# Altium PCB UltraZohm_Digital_Sensor_Board_v1.01.PcbDoc (part 4 of 4)
Units mm, origin at the board's own origin, x right, y up, seen from the top; angles counter-clockwise.
Board outline 156 x 100 mm, 4 copper layers (Top Layer, GND, VCC, Bottom Layer), stack 0.778 mm thick; 386 components, 224 nets, 1254 pads, 301 vias.
Unrouted connection lines stored in the file: 1.
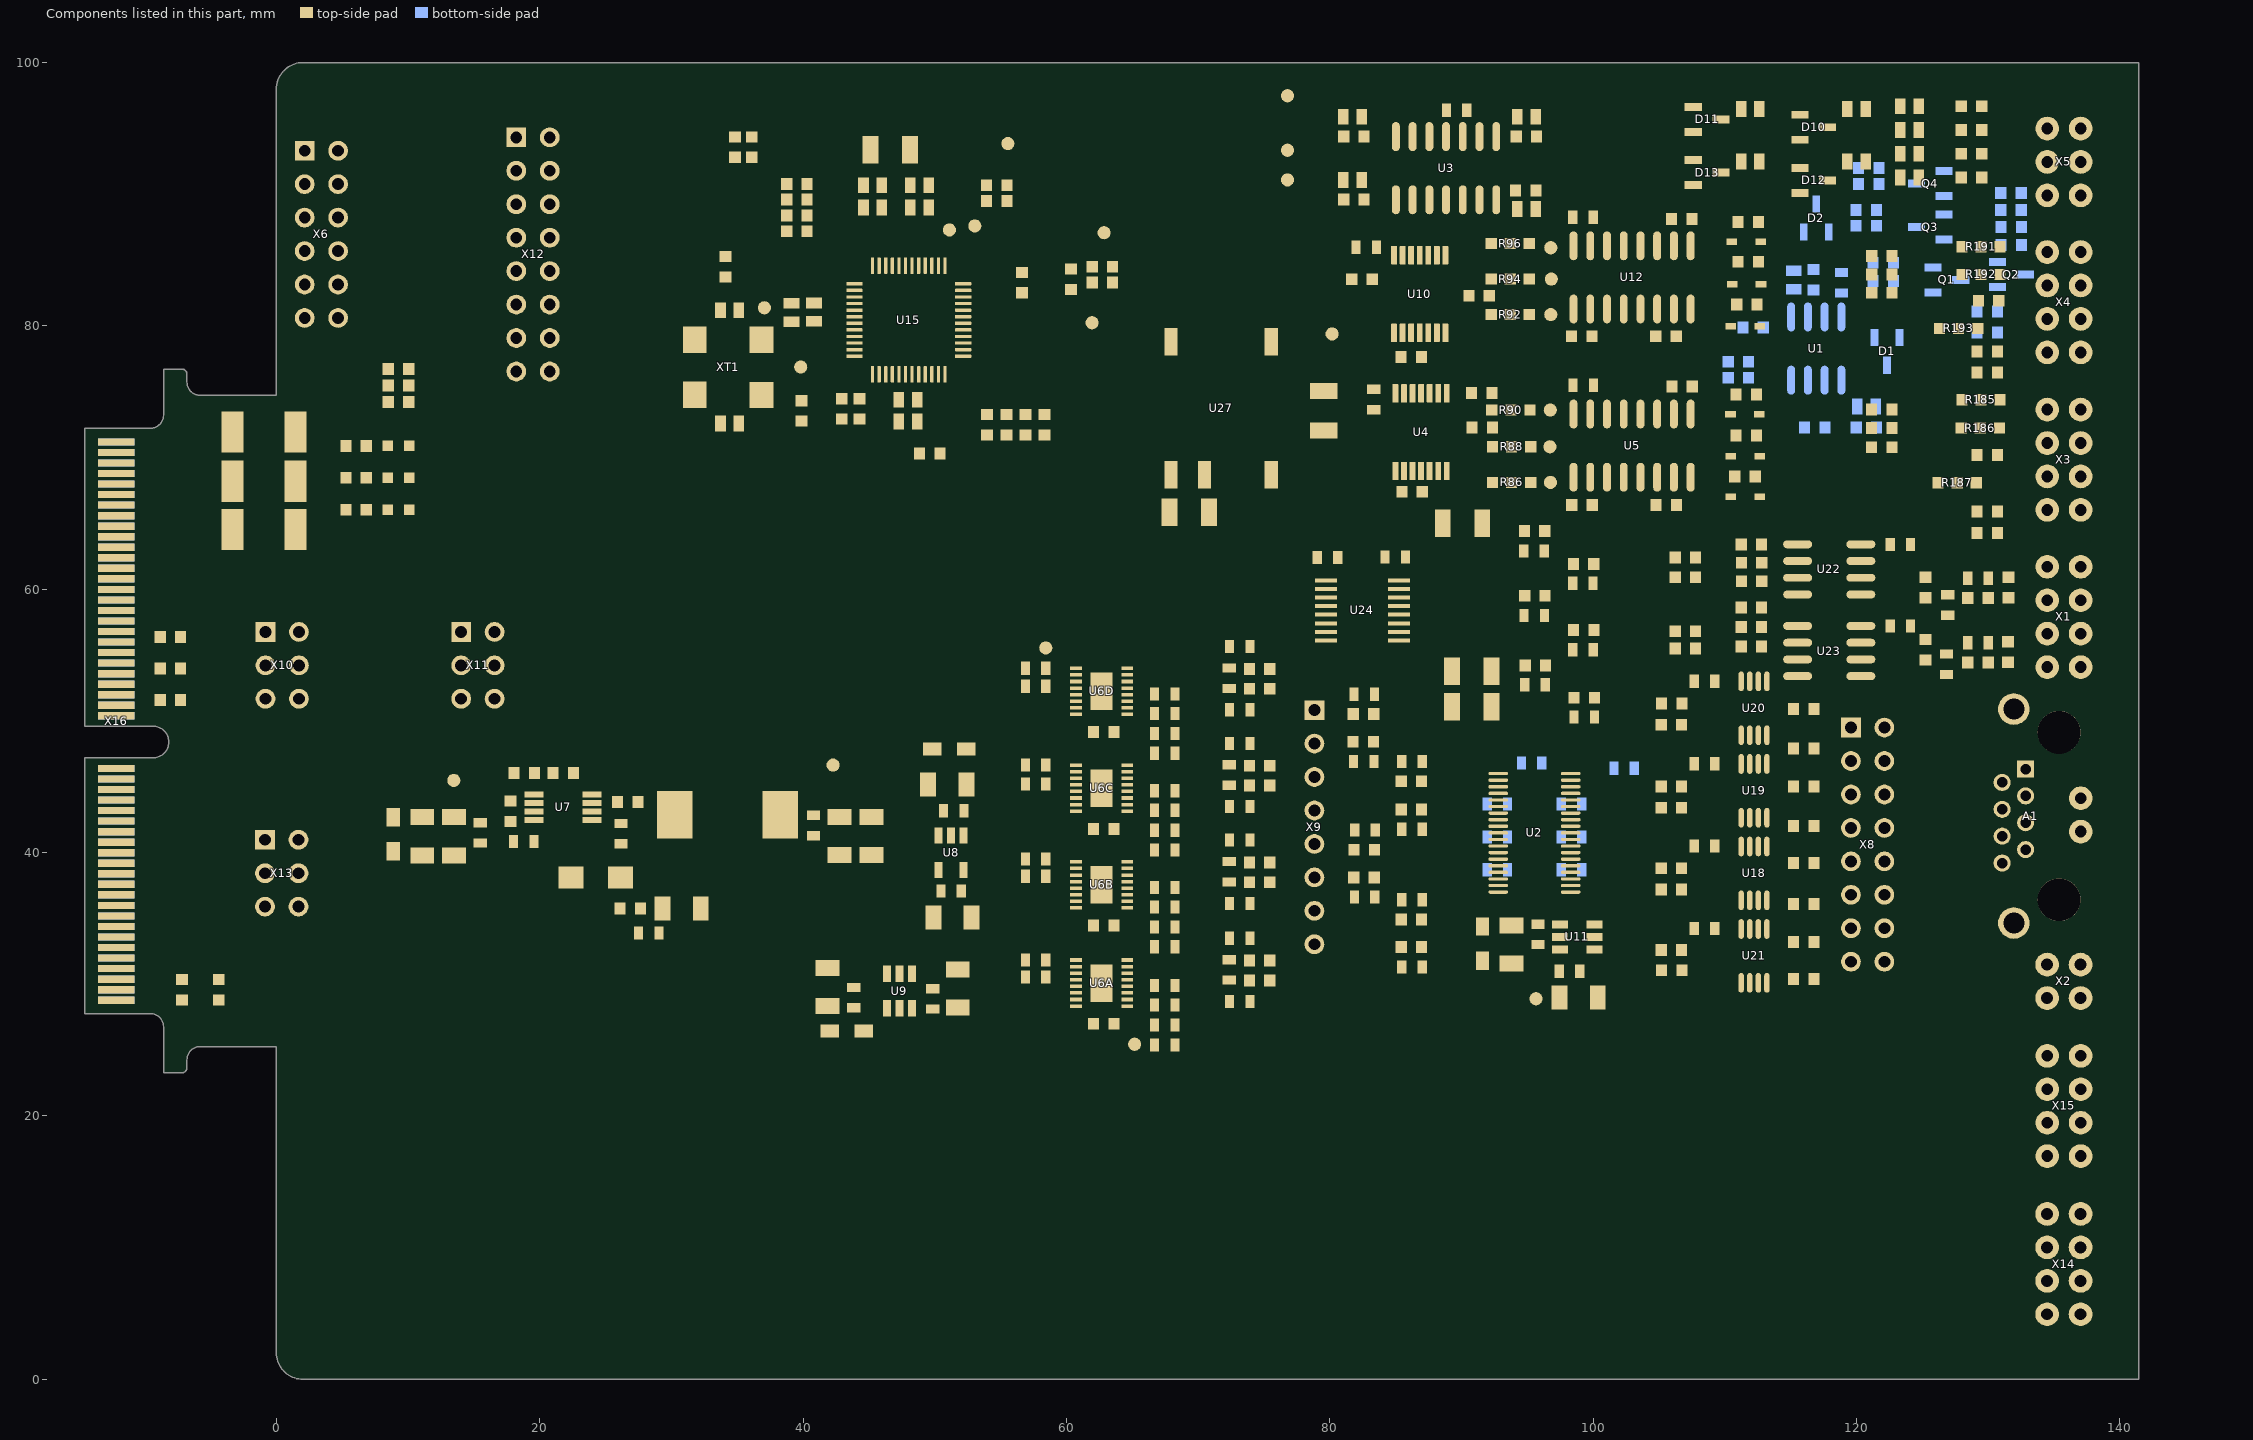
[diagram p6: the components of this part, seen from the top]

## Via types
v1: diameter 0.7, hole 0.3, Top Layer to Bottom Layer, 209 vias
v2: diameter 0.6, hole 0.3, Top Layer to Bottom Layer, 45 vias
v3: diameter 1.3, hole 0.7, Top Layer to Bottom Layer, 26 vias
v4: diameter 1, hole 0.5, Top Layer to Bottom Layer, 20 vias
v5: diameter 0.5, hole 0.3, Top Layer to Bottom Layer, 1 vias

## Nets (pads, with @x,y where several pads share a name; then routed paths per layer and width w, separated by ;. In a path a pad name is that pad's centre, name@x,y a point inside that pad or via, vN(x,y) a via of type N, cw(c..) or ccw(c..) an arc to the next point about the centre after c; other vN are vias at no path point) (continued)
pads on no net: A1.7 A1.8 A1.MH1 A1.MH2 U2.1 U2.6 U2.11 U2.16 U4.11 U4.12 U4.13 U5.13 U6A.13 U6A.15 U6B.13 U6B.15 U6C.13 U6C.15 U6D.13 U6D.15 U8.4 U9.3 U9.5 U10.11 U10.12 U10.13 U11.3 U11.5 U12.13 U15.14 U15.15 U15.16 U15.17 U15.20 U15.21 U15.22 U15.23 U15.24 U15.25 U15.26 U15.27 U15.28 U15.47 U18.0 U19.0 U20.0 U21.0 U27.8 X1.6 X12.16 X14.1 X14.2 X14.3 X14.4 X14.5 X14.6 X14.7 X14.8 X15.1 X15.2 X15.3 X15.4 X15.5 X15.6 X15.7 X15.8 X16.77 X16.78 X16.79 X16.80 X16.83 X16.84 X16.85 X16.86 X16.89 X16.90 X16.91 X16.92 X16.93 X16.94 X16.95

## Polygon pours and split planes (outlines as drawn)
VIN_VREF on Top Layer "VIn_Rref_ADC" (solid, pour order 89): 45.564,29.389 46.372,29.389 46.872,28.889 46.872,27.489 46.472,27.089 44.872,25.489 43.672,25.489 41.672,25.489 40.772,26.389 40.772,29.389
GND on Top Layer "GND_Vref_U9" (solid, pour order 91): 53.37,32.355 53.37,29.489 39.972,29.489 39.972,32.355
VCC_2.5V on Top Layer "InputFilter_U8" (solid, pour order 83): 55.746,42.698 55.746,40.469 55.25,39.973 49.896,39.973 49.896,42.073 50.419,42.073 50.546,42.073 50.646,41.973 50.669,41.95 50.669,40.773 50.869,40.573 50.901,40.573 51.646,40.573 51.804,40.731 51.804,41.073 51.804,42.042 51.782,48.209 51.945,48.373 55.495,48.374 55.746,48.123 55.746,43.456
GND on Top Layer "GND_U8" (solid, pour order 92): 47.946,33.673 47.596,34.023 47.596,36.073 47.596,39.348 47.596,46.273 48.283,46.961 50.046,46.961 51.538,45.469 51.538,34.519 50.691,33.673
OVCC on Top Layer "OVCC_U8_Bottom" (solid, pour order 110): 51.924,33.73 51.373,34.281 51.373,39.292 51.804,39.723 55.236,39.723 55.759,39.201 55.759,34.198 55.284,33.723
GND on Top Layer "GND" (solid, pour order 132): 67.469,30.646 73.219,30.646 73.219,26.848 71.255,24.884 67.469,24.888
GND on Top Layer "GND_U7" (solid, pour order 102): 28.73,47.541 11.41,47.541 9.809,45.941 9.809,35.984 10.112,35.681 27.253,35.681 29.08,37.508 29.08,47.191
GND on Top Layer "GND_L01_P121" (solid, pour order 121): 111.947,67.623 111.947,75.447 111.047,76.347 107.747,76.347 107.047,75.647 107.047,67.369 107.668,66.747 111.547,66.747 111.947,67.147
GND on Top Layer "GND_L01_P120" (solid, pour order 120): 111.947,80.467 111.947,88.291 111.047,89.191 107.747,89.191 107.047,88.491 107.047,80.213 107.668,79.591 111.547,79.591 111.947,79.991
+12V on Top Layer "+12V_Top" (solid, pour order 114): 81.81,76.791 81.81,79.044 80.176,80.678 75.347,80.678 74.247,79.578 74.247,74.85 75.219,73.878 81.002,73.878 81.81,74.686
GND on Top Layer "GND2_DC2" (solid, pour order 113): 81.847,71.491 81.847,72.675 80.93,73.591 75.381,73.591 74.669,72.878 74.669,65.084 75.147,64.606 77.631,64.606 81.847,68.822
GND on Top Layer "GND_DC2" (solid, pour order 112): 64.927,71.008 65.51,71.591 68.663,71.591 69.147,71.107 69.147,64.444 68.794,64.091 65.327,64.091 64.927,64.491
VIN_fused on Top Layer "VIN_DC2" (solid, pour order 111): 73.747,71.008 73.164,71.591 70.012,71.591 69.527,71.107 69.527,64.444 69.88,64.091 73.347,64.091 73.747,64.491
GND on Top Layer "GND_OutFilterU7" (solid, pour order 104): 47.37,40.296 47.37,41.416 46.905,41.881 40.254,41.881 39.58,41.208 39.58,37.308 40.057,36.831 47.055,36.831 47.37,37.146
VCC on Top Layer "+5V_L2" (solid, pour order 103): 46.68,46.957 46.206,47.431 35.873,47.431 35.18,46.739 35.18,40.637 35.436,40.381 38.972,40.381 40.372,41.782 46.372,41.782 46.68,42.09
VIN_5V on Top Layer "VIN_5V_L01_P100" (solid, pour order 100): 20.41,43.518 19.654,43.518 16.833,43.518 13.95,46.401 8.369,46.401 7.908,45.94 7.908,41.409 8.11,41.208 20.21,41.208 20.63,41.628 20.63,43.297
NetC34_2 on Top Layer "NETC34_2_L01_P101" (solid, pour order 101): 33.31,43.241 33.31,44.53 32.398,45.441 28.988,45.441 28.245,44.698 28.245,42.975 28.054,42.785 26.797,41.528 25.505,41.528 25.31,41.724 25.31,42.635 25.16,42.785 23.264,42.785 23.264,40.759 25.31,38.713 25.31,35.941 26.11,35.141 32.564,35.141 33.31,35.887
GND on Top Layer "GND_Cap1" (solid, pour order 88): 70.319,52.721 67.509,52.721 67.342,52.554 67.342,47.273 67.719,46.896 72.569,46.896 73.48,47.808 73.48,51.01 72.694,51.796 71.244,51.796
GND on Top Layer "GND_Cap1" (solid, pour order 87): 70.319,45.371 67.509,45.371 67.342,45.204 67.342,39.923 67.719,39.546 72.569,39.546 73.48,40.458 73.48,43.66 72.694,44.446 71.244,44.446
GND on Top Layer "GND_Cap1" (solid, pour order 86): 70.319,38.021 67.509,38.021 67.342,37.854 67.342,32.573 67.719,32.196 72.569,32.196 73.48,33.108 73.48,36.31 72.694,37.096 71.244,37.096
GND on Top Layer "GND_Voltage_REF_U11" (solid, pour order 84): 102.13,30.896 102.13,32.836 100.94,34.026 93.37,34.026 92.64,33.296 92.64,28.113 93.395,27.358 101.607,27.358 102.13,27.881
+5V_RESOLVER on Bottom Layer "+5V_Resolver" (solid, pour order 119): 118.235,96.678 117.535,97.378 38.677,97.378 35.69,94.391 35.69,78.94 35.447,78.696 36.752,77.391 42.847,77.391 68.047,77.391 72.047,81.391 83.084,92.428 98.975,92.428 102.375,92.428 106.547,88.256 116.312,88.256 118.235,90.179
+5V_A_E on Bottom Layer "+5V_A_E" (solid, pour order 117): 139.047,56.856 139.047,61.591 135.547,65.091 84.649,65.091 82.86,63.303 82.86,60.126 92.361,50.626 137.081,50.626 139.047,52.591
NetC39_1 on Bottom Layer "NETC39_1_L04_P105" (solid, pour order 105): 35.51,37.78 35.51,45.78 34.71,46.58 19.137,46.58 17.837,45.28 17.837,35.015 18.71,34.142 34.722,34.142 35.51,34.93
+12V on VCC "+12V" (solid, pour order 122): 139.547,98.4 137.947,100 75.056,100 73.747,98.691 73.747,76.206 75.519,74.434 135.629,74.434 139.547,78.352
+5V_D_G on VCC "+5V_A_D" (solid, pour order 118): 139.647,75.628 139.647,78.004 138.559,79.091 132.647,79.091 131.797,78.241 110.018,78.241 107.668,75.891 105.758,75.891 104.924,76.725 104.924,80.368 104.924,82.914 100.447,87.391 87.391,87.391 83.147,83.147 83.147,67.68 84.235,66.591 87.876,66.591 89.253,65.214 138.108,65.214 139.647,66.753
3V3_D_G on VCC "3V3_D_G" (solid, pour order 131): -14.566,27.775 -9.566,27.775 cw(c-9.566,26.775) -8.566,26.775 -8.566,23.275 -7.186,23.275 ccw(c-7.186,23.675) -6.786,23.675 -6.786,24.275 cw(c-5.786,24.275) -5.786,25.275 0,25.275 0,0 141.434,0 141.434,100 0,100 0,74.725 -5.786,74.725 cw(c-5.786,75.725) -6.786,75.725 -6.786,76.325 ccw(c-7.186,76.325) -7.186,76.725 -8.566,76.725 -8.566,73.225 cw(c-9.566,73.225) -9.566,72.225 -14.566,72.225 -14.566,49.6 -9.366,49.6 cw(c-9.366,48.4) -9.366,47.2 -14.566,47.2
+3V3_A_E on VCC "+3.3V_E" (solid, pour order 123): 140.047,57.075 140.047,61.514 136.444,65.117 81.872,65.117 78.945,62.191 78.945,56.091 80.038,54.998 89.247,54.998 90.1,54.144 90.1,51.334 91.343,50.091 138.047,50.091 140.047,52.091
GND on GND "GND" (solid, pour order 130): -14.566,27.775 -9.566,27.775 cw(c-9.566,26.775) -8.566,26.775 -8.566,23.275 -7.186,23.275 ccw(c-7.186,23.675) -6.786,23.675 -6.786,24.275 cw(c-5.786,24.275) -5.786,25.275 0,25.275 0,0 141.434,0 141.434,100 0,100 0,74.725 -5.786,74.725 cw(c-5.786,75.725) -6.786,75.725 -6.786,76.325 ccw(c-7.186,76.325) -7.186,76.725 -8.566,76.725 -8.566,73.225 cw(c-9.566,73.225) -9.566,72.225 -14.566,72.225 -14.566,49.6 -9.366,49.6 cw(c-9.366,48.4) -9.366,47.2 -14.566,47.2

## Keep-outs
Keep-Out Layer:
  lines w0.254: 0,25.275 0,2.032 ccw(c2.032,2.032) 2.032,0 141.434,0 141.434,100 2.032,100 ccw(c2.032,97.968) 0,97.968 0,74.725 ; 0.013,25.275 -5.786,25.275 ccw(c-5.786,24.275) -6.786,24.275 -6.786,23.675 cw(c-7.186,23.675) -7.186,23.275 -8.566,23.275 -8.566,26.775 ccw(c-9.566,26.775) -9.566,27.775 -13.787,27.775 -14.566,27.775 -14.566,47.2 -13.787,47.2 -9.366,47.2 ccw(c-9.366,48.4) -9.366,49.6 -13.787,49.6 -14.566,49.6 -14.566,72.225 -13.787,72.225 -9.566,72.225 ccw(c-9.566,73.225) -8.566,73.225 -8.566,76.725 -7.186,76.725 cw(c-7.186,76.325) -6.786,76.325 -6.786,75.725 ccw(c-5.786,75.725) -5.786,74.725 0.013,74.725

## Silkscreen, mask and mechanical layers (free items; w line width, h text height)
Top Overlay:
  lines w0.2: 4.448,67.732 16.305,67.732 ; 4.448,70.157 16.305,70.157 ; -6.53,32.791 -6.53,46.462 7.35,46.462 7.35,32.791 -6.53,32.791 ; -6.47,48.701 7.411,48.701 7.411,62.373 -6.47,62.373 -6.47,48.701 ; 4.448,65.293 16.305,65.293 16.305,72.791 4.448,72.791 4.448,65.293 ; 8.366,48.71 8.366,62.381 22.246,62.381 22.246,48.71 8.366,48.71 ; 12.527,73.394 12.527,98.536 28.459,98.536 28.459,73.394 12.527,73.394
  text "Resolver" at 12.743,96.53 h2
  text "Power" at 0.356,95.13 h2
  text "NM" at 14.413,93.932 h1.5
  text "A" at 22.606,93.932 h1.5
  text "VIN" at 6.699,92.916 h1.5
  text "B" at 15.564,91.392 h1.5
  text "DIR" at 22.606,91.392 h1.5
  text "GND" at 6.7,90.376 h1.5
  text "Resolver" at 133.158,90.24 h1.5 r90
  text "\CS" at 14.423,88.886 h1.5
  text "A0" at 22.606,88.852 h1.5
  text "5V_PER" at 6.7,87.943 h1.5
  text "N_SAMPLE" at 22.606,86.414 h1.5
  text "FSYNC" at 13,86.312 h1.5
  text "GND" at 6.7,85.296 h1.5
  text "SDO" at 14.028,83.772 h1.5
  text "SDI" at 22.606,83.772 h1.5
  text "3V3_PER" at 6.7,82.858 h1.5
  text "\RESET" at 22.606,81.266 h1.5
  text "SCLK" at 13.766,81.232 h1.5
  text "GND" at 6.7,80.216 h1.5
  text "Digital Hall" at 133.158,78.991 h1.5 r90
  text "LOT" at 14.261,78.692 h1.5
  text "DOS" at 22.606,78.692 h1.5
  text "A1" at 14.832,76.151 h1.5
  text "VIN" at 11.503,70.496 h1.5
  text "5V_PER" at 11.504,68.183 h1.5
  text "Digital QEP" at 133.158,67.016 h1.5 r90
  text "3V3_PER" at 11.504,65.758 h1.5
  text "Digital / Hall" at -6.28,58.993 h2
  text "Absolute / Encoder" at 8.556,58.993 h2
  text "QEP1" at 3.666,56.438 h1.5
  text "HALL1" at -5.719,56.412 h1.5
  text "RX DAT" at 9.064,56.401 h1.4
  text "RX CLK" at 18.16,56.401 h1.4
  text "QEP2" at 3.661,53.898 h1.5
  text "HALL2" at -5.724,53.869 h1.5
  text "TX DAT" at 9.069,53.861 h1.4
  text "TX CLK" at 18.16,53.861 h1.4
  text "Absolute Encoder" at 133.158,53.373 h1.5 r90
  text "UltraZohm_Digital Sensor Board 1v01" at 26.65,52.72 h3
  text "Design by: Thomas Effenberger" at 28.06,52.09 h2
  text "HALL3" at -5.723,51.336 h1.5
  text "QEP3" at 3.663,51.358 h1.5
  text "RW DAT" at 8.656,51.321 h1.4
  text "RW CLK" at 18.16,51.321 h1.4
  text "Analog / Hall" at -6.34,43.121 h2
  text "\CVN" at -5.323,40.623 h1.5
  text "CLK" at 3.53,40.589 h1.5
  text "Analog Hall" at 124.573,39.917 h1.5 r90
  text "OUT1" at -5.47,38.049 h1.5
  text "OUT2" at 3.53,38.049 h1.5
  text "OUT3" at -5.475,35.509 h1.5
  text "OUT4" at 3.53,35.509 h1.5
  text "Torque" at 133.098,28.434 h1.5 r90
  text "Temperature Meas" at 133.098,15.856 h1.5 r90
  text "Temperature Meas" at 133.098,3.847 h1.5 r90
Bottom Overlay:
  text "PWM" at 135.777,44.184 h1.5 r90

## Dimensions
141.434,100 to -14.566,72.225 on Mechanical 1
141.434,100 to 0,100 on Mechanical 1
141.434,0 to 141.434,100 on Mechanical 1
-6.786,75.725 to 146.653,97.022 on Mechanical 1

## Text inside footprints (layer, text, board x,y; h text height)
X8: Top Overlay "16" at 122.51,29.224 h1 r90; Top Overlay "15" at 119.99,29.224 h1 r90; Top Overlay "1" at 119.803,51.212 h1 r90; Top Overlay "2" at 122.475,51.091 h1 r90